# Altium PCB LimeSDR-PCIe_1v2.PcbDoc (part 6 of 9) (continued)
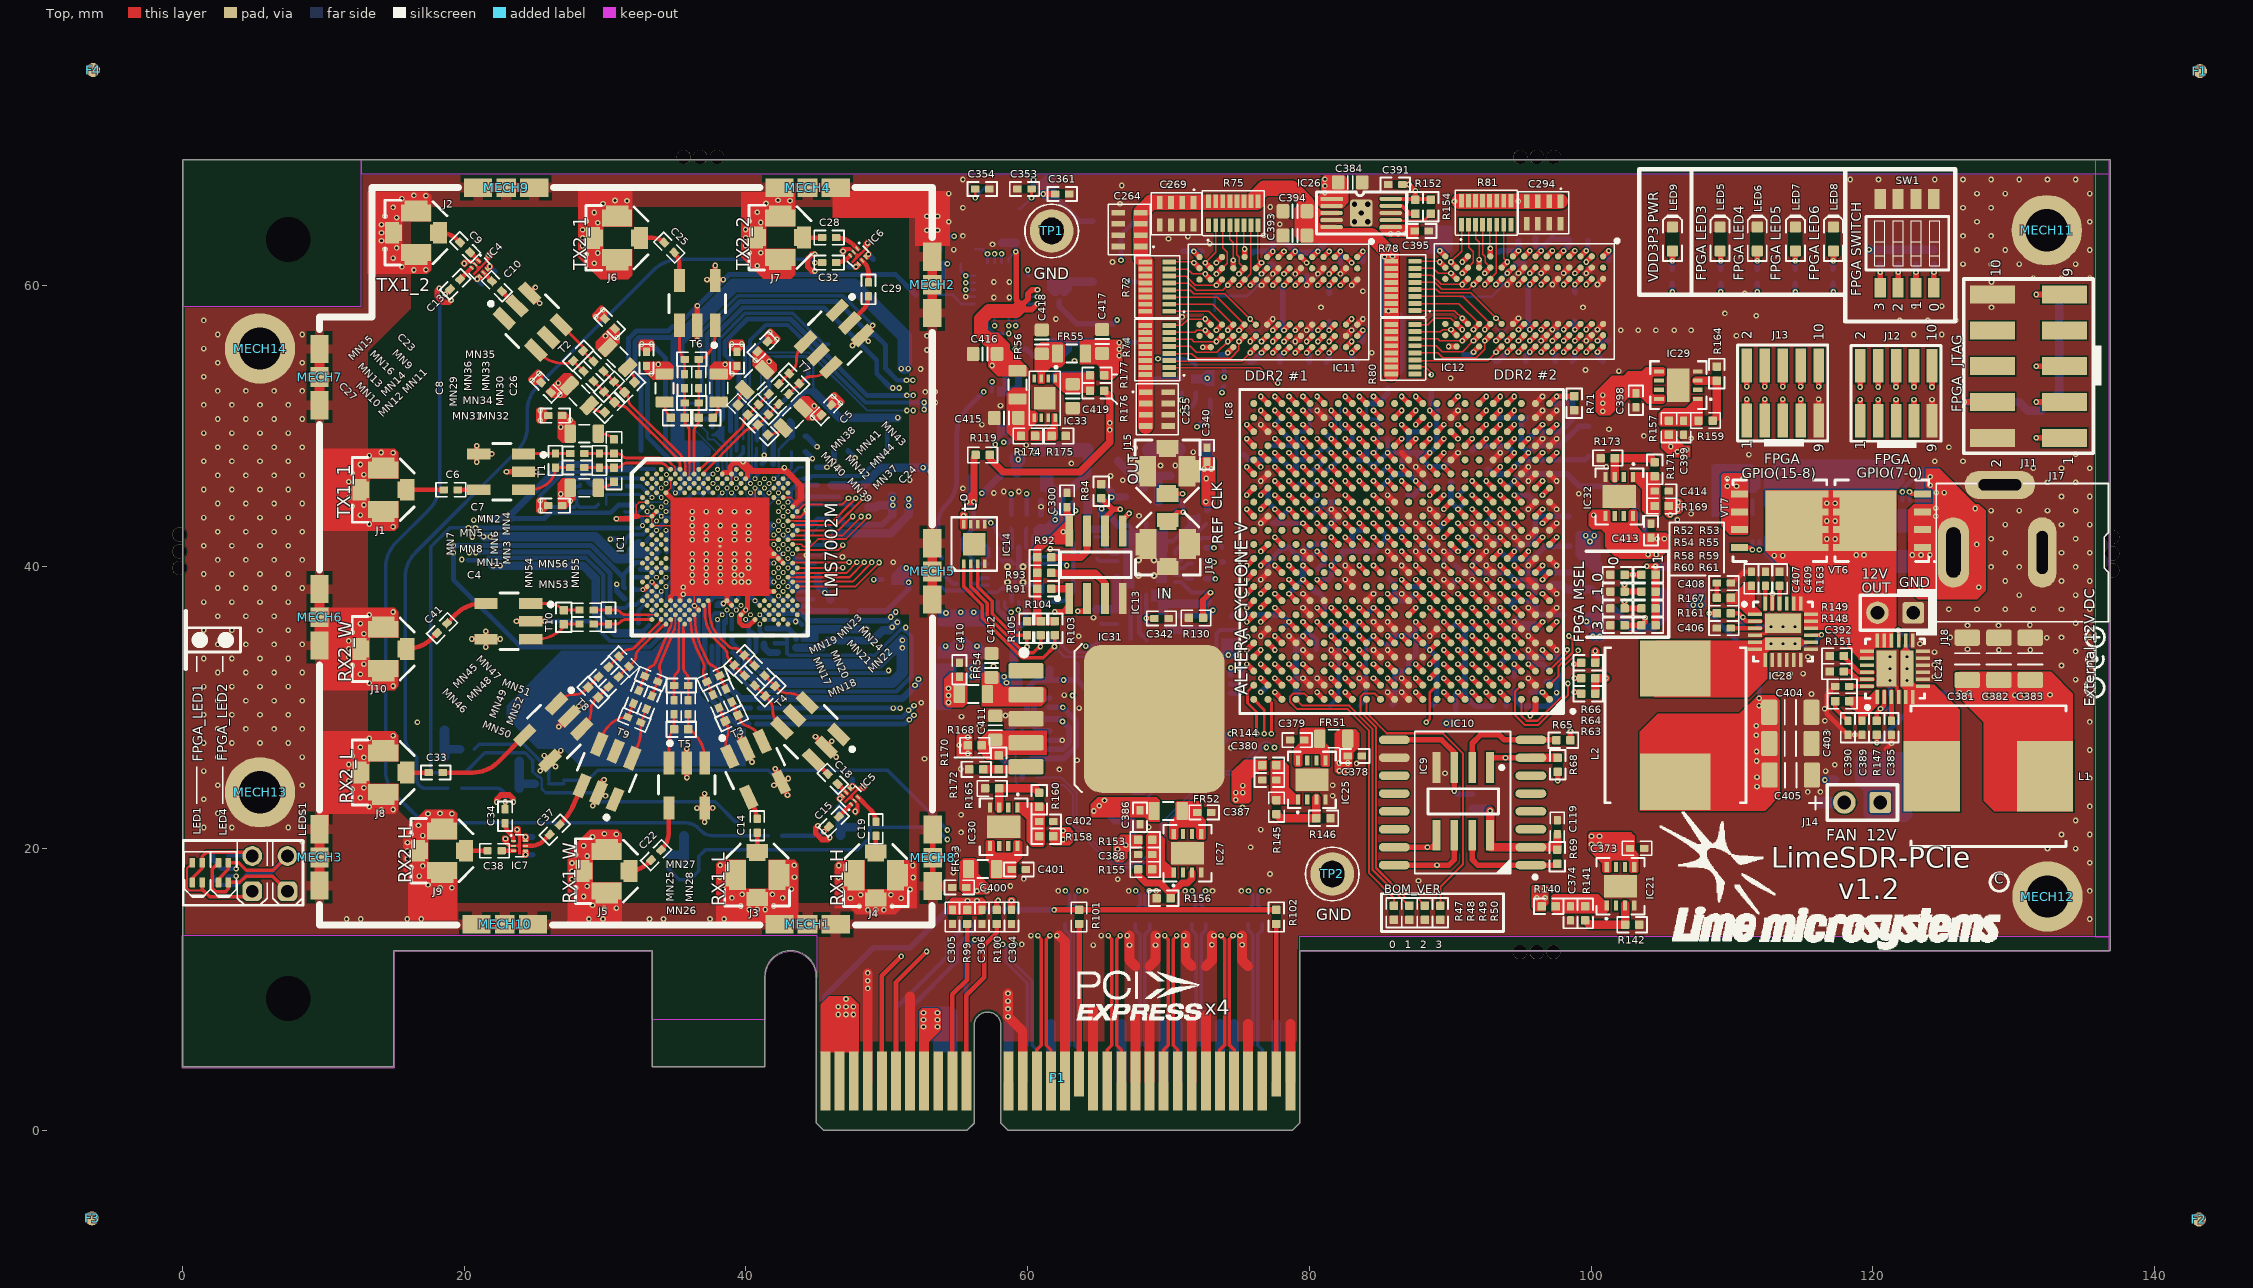
[diagram p0: Top view]
## Nets (pads, with @x,y where several pads share a name; then routed paths per layer and width w, separated by ;. In a path a pad name is that pad's centre, name@x,y a point inside that pad or via, vN(x,y) a via of type N, cw(c..) or ccw(c..) an arc to the next point about the centre after c; other vN are vias at no path point) (continued)
NetIC26_7: IC26.7 R154.2 | length 3.1
  Top w0.2: IC26.7@85.775,64.625 85.775,64.575 88.125,64.575 R154.2@88.625,65.075
NetIC26_9: IC26.9 R152.2 | length 2
  Top w0.3: IC26.9@85.775,65.625 86.575,65.625 87.125,65.075 R152.2@87.525,65.075
NetIC27_3: IC27.3 R155.2 R156.2 | length 6
  Top w0.5: R155.2@67.837,18.525 67.837,18.137 68.4,17.575 69.4,17.575 70.15,16.825 R156.2@70.15,16.753 ; R156.2@70.15,16.475 R156.2@70.15,16.753 ; IC27.3@71.675,18.3 71.675,17.875 71.35,17.55 70.947,17.55 R156.2@70.15,16.753
NetIC28_2: IC28.2 R161.2 R166.1 | length 3
  Top w0.325: R161.2@109.925,36.7 110.475,36.7 111.025,36.15 IC28.2@111.625,36.15 IC28.2@112.025,36.15
  Bottom w0.325: R166.1@110.75,35.75 110.775,35.775 v1(110.775,36.425)
NetIC28_22: IC28.22 R163.1 | length 1.6
  Top w0.325: IC28.22@113.375,37 R163.1@113.375,38.6
NetIC28_23: IC28.23 R162.2 | length 1.7
  Top w0.325: IC28.23@112.875,37 IC28.23@112.875,37.4 v1(112.875,38.1)
  Bottom w0.325: R162.2@112.875,37.5 v1(112.875,38.1)
NetIC29_3: IC29.3 R159.1 R164.1 | length 4.4
  Top w0.6: IC29.3@107.475,53.225 R164.1@108.925,53.225 108.925,50.688 R159.1@108.625,50.388
NetIC30_3: IC30.3 R160.1 R165.2 | length 4.4
  Top w0.6: IC30.3@57.975,22.825 R165.2@57.975,24.275 60.512,24.275 R160.1@60.812,23.975
NetIC31_5: IC31.5 R170.2 R172.1 | length 2.9
  Top w0.6: R172.1@56.85,25.625 R170.2@57.95,25.625 IC31.5@59.706,25.625
NetIC32_3: IC32.3 R171.1 R173.1 | length 4.4
  Top w0.6: IC32.3@101.675,46.275 R173.1@101.675,47.725 104.212,47.725 R171.1@104.512,47.425
NetIC33_8: IC33.8 R174.2 R175.2
NetJ14_1: J14.1 VT5.D
NetJ15_1: J15.1 R121.1 | length 36.8
  Top w0.325: J15.1@69.925,45.2 v1@70.975,45.2
  L10 w0.1: v1(54.775,63.475) ccw(c54.775,63.596) 54.86,63.51 55.1,63.75 cw(c55.643,63.207) 55.643,63.975 57.81,63.975 cw(c57.81,61.435) 60.35,61.435 60.35,58.703 ccw(c61.866,58.703) 60.794,57.631 61.406,57.019 ccw(c63.202,58.815) 63.202,56.275 69.423,56.275 cw(c69.423,53.735) 71.219,55.531 73,53.75 cw(c72.578,53.328) 73.175,53.328 73.175,52.875 cw(c71.425,52.875) 72.662,51.637 71.719,50.694 ccw(c73.515,48.898) 70.975,48.898 v1@70.975,45.2
  Bottom w0.325: R121.1@53.799,62.423 53.799,62.899 54.375,63.475 v1(54.775,63.475)
  other v1: 71,45.2
NetLED1_1: LED1.1 LED1.4 LEDS1.A1 R89.2 | length 7.7
  Top w0.25: LED1.4@0.7,17.6 0.7,17.9 1.4,18.6 LED1.1@1.4,19 1.4,19.45 1.7,19.75 4.675,19.75 LEDS1.A1@4.925,19.5
  Bottom w0.25: R89.2@3.2,19.5 4.925,19.5 LEDS1.A1@4.95,19.475
NetLED4_1: LED4.1 LED4.4 LEDS1.A2 R90.2 | length 12.9
  Top w0.25: LED4.4@2.55,17.6 2.55,17.825 3.25,18.525 LED4.1@3.25,19 4,19 4.525,18.475 6.45,18.475 LEDS1.A2@7.45,19.475
  Bottom w0.3: R90.2@2.2,18 2.2,17.85 2.625,17.425 3.851,17.425 4.676,18.25 6.225,18.25 LEDS1.A2@7.45,19.475
NetLED5_A: LED5.A R94.2 | length 1.3
  Top w0.4: v1(109.2,61.725) 109.205,61.73 LED5.A@109.205,62.425
  Bottom w0.4: R94.2@109.2,61.125 v1(109.2,61.725)
NetLED6_A: LED6.A R95.2 | length 1.3
  Top w0.4: v1(111.795,61.725) 111.8,61.73 LED6.A@111.8,62.425
  Bottom w0.4: R95.2@111.795,61.125 v1(111.795,61.725)
NetLED7_A: LED7.A R96.2 | length 1.3
  Top w0.4: v1(114.5,61.725) 114.505,61.73 LED7.A@114.505,62.425
  Bottom w0.4: R96.2@114.5,61.125 v1(114.5,61.725)
NetLED8_A: LED8.A R97.2 | length 1.3
  Top w0.4: v1(117.2,61.725) 117.205,61.73 LED8.A@117.205,62.425
  Bottom w0.4: R97.2@117.2,61.125 v1(117.2,61.725)
NetLED9_A: LED9.A R143.1 | length 1.3
  Top w0.4: v1(105.77,61.725) 105.775,61.73 LED9.A@105.775,62.425
  Bottom w0.4: R143.1@105.77,61.125 v1(105.77,61.725)
NetMN1_1: MN1.1 MN3.2 | length 1.2
  Top w0.2: MN1.1@29.52,45.628 29.605,45.628 ccw(c29.605,47.077) MN3.2@30.63,46.052
NetMN2_1: MN2.1 MN4.2 | length 1.2
  Top w0.2: MN2.1@29.519,49.473 29.614,49.473 cw(c29.614,48.037) MN4.2@30.63,49.052
NetMN9_1: MN9.1 MN11.2 | length 1.2
  Top w0.2: MN9.1@31.595,54.192 31.662,54.125 cw(c30.647,53.109) MN11.2@32.083,53.109
NetMN10_1: MN10.1 MN12.2 | length 1.2
  Top w0.2: MN10.1@28.876,51.473 28.936,51.413 ccw(c29.961,52.438) MN12.2@29.961,50.988
NetMN29_1: MN29.1 MN31.2 | length 1.2
  Top w0.2: MN29.1@34.22,51.701 34.22,51.616 ccw(c35.669,51.616) MN31.2@34.645,50.591
NetMN30_1: MN30.1 MN32.2 | length 1.2
  Top w0.2: MN32.2@37.644,50.591 ccw(c36.629,51.606) 38.065,51.606 MN30.1@38.065,51.701
NetMN37_1: MN37.1 MN39.2 | length 1.2
  Top w0.2: MN39.2@41.554,49.376 ccw(c41.554,50.812) 42.569,49.797 MN37.1@42.636,49.864
NetMN38_1: MN38.1 MN40.2 | length 1.2
  Top w0.2: MN40.2@39.433,51.498 cw(c40.882,51.498) 39.857,52.523 MN38.1@39.917,52.582
NetP1_A6: P1.A6 R98.2 | length 13
  Bottom w0.325: P1.A6@50.65,3.5 50.65,8.7 54.288,12.338 54.288,13.213 55.2,14.125 R98.2@55.2,14.65
NetP1_A7: P1.A7 R98.1 | length 13
  Bottom w0.325: P1.A7@51.65,3.5 51.65,8.675 54.95,11.975 54.95,13.025 56.2,14.275 R98.1@56.2,14.65
NetP1_B10: P1.B10 R99.2 | length 11.6
  Top w0.325: P1.B10@54.65,3.5 54.65,9.65 55.7,10.7 R99.2@55.7,14.65
NetP1_B11: P1.B11 R100.2 | length 12
  Top w0.325: P1.B11@55.65,3.5 55.65,9.6 56.925,10.875 56.925,13.15 57.8,14.025 R100.2@57.8,14.65
NetR15_1: R15.1 VT2.3 VT2.4 | length 3
  Bottom w0.6: R15.1@34.499,19.556 35.601,19.556
  Bottom w0.7: VT2.4@35.601,19.007 VT2.3@35.601,20.907
NetR16_2: R16.2 VT1.3 VT1.4 | length 3
  Bottom w0.6: 46.7,21.523 R16.2@47.803,21.523
  Bottom w0.7: VT1.3@46.7,20.975 VT1.4@46.7,22.875
NetR18_2: R18.2 VT3.3 VT3.4 | length 3
  Bottom w0.6: VT3.3@23.9,24.598 R18.2@25.003,24.598
  Bottom w0.7: VT3.3@23.9,24.3 VT3.4@23.9,26.2
NetR19_1: R19.1 VT4.3 VT4.4 | length 3
  Bottom w0.6: 18.6,27.048 R19.1@19.702,27.048
  Bottom w0.7: VT4.3@18.6,26.5 VT4.4@18.6,28.4
NetR107_2: R107.2 R116.2 XO1.4 XO2.3 | length 2.4
  Bottom w0.325: XO2.3@68.625,53.5 68.625,53.35 R116.2@70.925,53.35
NetR110_1: R110.1 XO1.6 | length 2.7
  Bottom w0.6: XO1.6@66.425,47.55 66.425,47.475 R110.1@68.275,45.625
PCIE_HSI0_IC_N: C118.1 IC8.V1 | length 59.1
  Top w0.4: IC8.V1@97.05,47.6 v1(97.55,48.1)
  L3 w0.1: v1(63.625,17) 63.25,17.375 63.25,17.867 71.858,26.475 74.55,26.475 75.525,27.45 86.658,27.45 86.758,27.55 87.608,28.4 88.633,28.4 88.733,28.5 91.175,30.942 91.175,43.266 91.484,43.575 92.775,43.575 93.125,43.925 93.125,46.17 93.405,46.45 96.533,46.45 97.15,47.067 97.15,47.7 v1(97.55,48.1)
  Bottom w0.25: v1(63.625,17) 63.325,16.7 63.325,15.975 C118.1@63.65,15.65
PCIE_HSI0_IC_P: C117.1 IC8.V2 | length 59.1
  Top w0.4: IC8.V2@96.05,47.6 v1(96.55,48.1)
  L3 w0.1: v1(62.675,17) 63.05,17.375 63.05,17.95 71.775,26.675 74.467,26.675 75.442,27.65 86.575,27.65 87.525,28.6 88.55,28.6 90.975,31.025 90.975,43.349 91.401,43.775 92.692,43.775 92.925,44.008 92.925,46.253 93.322,46.65 96.45,46.65 96.95,47.15 96.95,47.7 v1(96.55,48.1)
  Bottom w0.25: C117.1@62.65,15.65 62.975,15.975 62.975,16.7 v1(62.675,17)
PCIE_HSI0_N: C118.2 P1.A17 | length 11.4
  Bottom w0.25: P1.A17@63.65,3.5 63.65,5.725 63.325,6.05 63.325,13.9 63.65,14.225 C118.2@63.65,14.65
PCIE_HSI0_P: C117.2 P1.A16 | length 11.4
  Bottom w0.25: P1.A16@62.65,3.5 62.65,5.725 62.975,6.05 62.975,13.9 62.65,14.225 C117.2@62.65,14.65
PCIE_HSI1_IC_N: C116.1 IC8.P1 | length 49.3
  Top w0.4: v1(96.55,43.1) IC8.P1@97.05,43.6
  L3 w0.1: v1(68.625,17) 68.25,17.375 68.25,17.967 75.133,24.85 86.05,24.85 86.617,25.417 88.6,27.4 89.913,27.4 93.25,30.737 93.25,41.295 93.48,41.525 94.808,41.525 95.125,41.842 95.125,43 95.625,43.5 96.15,43.5 v1(96.55,43.1)
  Bottom w0.25: v1(68.625,17) 68.325,16.7 68.325,15.975 C116.1@68.65,15.65
PCIE_HSI1_IC_P: C115.1 IC8.P2 | length 49.7
  Top w0.4: IC8.P2@96.05,43.6 v1(96.55,44.1)
  L3 w0.1: v1(67.675,17) 68.05,17.375 68.05,18.05 75.05,25.05 85.967,25.05 88.517,27.6 89.83,27.6 93.05,30.82 93.05,41.378 93.397,41.725 94.725,41.725 94.925,41.925 94.925,43.083 95.542,43.7 96.15,43.7 v1(96.55,44.1)
  Bottom w0.25: C115.1@67.65,15.65 67.975,15.975 67.975,16.7 v1(67.675,17)
PCIE_HSI1_N: C116.2 P1.A22 | length 11.4
  Bottom w0.25: P1.A22@68.65,3.5 68.65,5.725 68.325,6.05 68.325,13.9 68.65,14.225 C116.2@68.65,14.65
PCIE_HSI1_P: C115.2 P1.A21 | length 11.4
  Bottom w0.25: P1.A21@67.65,3.5 67.65,5.725 67.975,6.05 67.975,13.9 67.65,14.225 C115.2@67.65,14.65
PCIE_HSI2_IC_N: C114.1 IC8.K1 | length 41.5
  Top w0.4: v1(96.55,39.1) IC8.K1@97.05,39.6
  L3 w0.1: v1(72.625,17) 72.25,17.375 72.25,17.692 77.033,22.475 86.058,22.475 89.883,26.3 90.464,26.3 95.15,30.986 95.15,39.195 95.455,39.5 96.15,39.5 v1(96.55,39.1)
  Bottom w0.25: v1(72.625,17) 72.325,16.7 72.325,15.975 C114.1@72.65,15.65
PCIE_HSI2_IC_P: C112.1 IC8.K2 | length 41.8
  Top w0.4: IC8.K2@96.05,39.6 v1(96.55,40.1)
  L3 w0.1: v1(71.675,17) 72.05,17.375 72.05,17.775 76.95,22.675 85.975,22.675 89.8,26.5 90.381,26.5 94.95,31.069 94.95,39.278 95.372,39.7 96.15,39.7 v1(96.55,40.1)
  Bottom w0.25: C112.1@71.65,15.65 71.975,15.975 71.975,16.7 v1(71.675,17)
PCIE_HSI2_N: C114.2 P1.A26 | length 11.4
  Bottom w0.25: P1.A26@72.65,3.5 72.65,5.725 72.325,6.05 72.325,13.9 72.65,14.225 C114.2@72.65,14.65
PCIE_HSI2_P: C112.2 P1.A25 | length 11.4
  Bottom w0.25: P1.A25@71.65,3.5 71.65,5.725 71.975,6.05 71.975,13.9 71.65,14.225 C112.2@71.65,14.65
PCIE_HSI3_IC_N: C111.1 IC8.F1 | length 35.5
  Top w0.4: IC8.F1@97.05,35.6 v1(97.55,36.1)
  L3 w0.1: v1(76.625,17) 76.25,17.375 76.25,18.055 79.22,21.025 88.003,21.025 97.15,30.172 97.15,35.7 v1(97.55,36.1)
  Bottom w0.25: v1(76.625,17) 76.325,16.7 76.325,15.975 C111.1@76.65,15.65
PCIE_HSI3_IC_P: C110.1 IC8.F2 | length 35.5
  Top w0.4: IC8.F2@96.05,35.6 v1(96.55,36.1)
  L3 w0.1: v1(75.675,17) 76.05,17.375 76.05,18.138 79.137,21.225 87.92,21.225 96.95,30.255 96.95,35.7 v1(96.55,36.1)
  Bottom w0.25: C110.1@75.65,15.65 75.975,15.975 75.975,16.7 v1(75.675,17)
PCIE_HSI3_N: C111.2 P1.A30 | length 11.4
  Bottom w0.25: P1.A30@76.65,3.5 76.65,5.725 76.325,6.05 76.325,13.9 76.65,14.225 C111.2@76.65,14.65
PCIE_HSI3_P: C110.2 P1.A29 | length 11.4
  Bottom w0.25: P1.A29@75.65,3.5 75.65,5.725 75.975,6.05 75.975,13.9 75.65,14.225 C110.2@75.65,14.65
PCIE_HSO0_N: IC8.Y1 P1.B15 | length 73.4
  Top w0.25: v1(61.575,13.825) 61.325,13.575 61.325,6.05 61.65,5.725 P1.B15@61.65,3.5
  Top w0.4: IC8.Y1@97.05,49.6 v1(97.55,50.1)
  L3 w0.1: v1(61.575,13.825) 61.25,14.15 61.25,16.775 72.9,28.425 86.708,28.425 89.075,30.792 89.075,31.175 89.375,31.475 89.703,31.475 90.1,31.872 90.1,45.4 92.2,47.5 95.808,47.5 96.15,47.842 96.15,48.383 96.317,48.55 96.778,48.55 97.15,48.922 97.15,49.7 v1(97.55,50.1)
PCIE_HSO0_P: IC8.Y2 P1.B14 | length 73.4
  Top w0.25: P1.B14@60.65,3.5 60.65,5.725 60.975,6.05 60.975,13.575 v1(60.725,13.825)
  Top w0.4: IC8.Y2@96.05,49.6 v1(96.55,50.1)
  L3 w0.1: v1(60.725,13.825) 61.05,14.15 61.05,16.858 72.817,28.625 86.625,28.625 88.875,30.875 88.875,31.258 89.292,31.675 89.62,31.675 89.9,31.955 89.9,45.483 92.117,47.7 95.725,47.7 95.95,47.925 95.95,48.466 96.234,48.75 96.4,48.75 96.695,48.75 96.95,49.005 96.95,49.7 v1(96.55,50.1)
PCIE_HSO1_N: IC8.T1 P1.B20 | length 64.7
  Top w0.25: v1(66.575,13.825) 66.325,13.575 66.325,6.05 66.65,5.725 P1.B20@66.65,3.5
  Top w0.4: v1(96.55,45.1) IC8.T1@97.05,45.6
  L3 w0.1: v1(66.575,13.825) 66.25,14.15 66.25,16.725 67.2,17.675 67.2,18.05 75.65,26.5 86.658,26.5 86.933,26.775 88.083,27.925 89.583,27.925 92,30.342 92,42.045 92.4,42.445 92.4,42.45 93.825,42.45 94.15,42.775 94.15,44.275 94.325,44.45 94.75,44.45 95.8,45.5 96.275,45.5 96.55,45.225 v1(96.55,45.1)
PCIE_HSO1_P: IC8.T2 P1.B19 | length 65.1
  Top w0.25: P1.B19@65.65,3.5 65.65,5.725 65.975,6.05 65.975,13.575 v1(65.725,13.825)
  Top w0.4: IC8.T2@96.05,45.6 v1(96.55,46.1)
  L3 w0.1: v1(65.725,13.825) 66.05,14.15 66.05,16.808 67,17.758 67,18.133 75.567,26.7 86.575,26.7 88,28.125 89.5,28.125 91.8,30.425 91.8,42.128 91.9,42.228 91.9,42.233 92.317,42.65 93.742,42.65 93.95,42.858 93.95,44.358 94.242,44.65 94.667,44.65 95.717,45.7 96.275,45.7 96.55,45.975 v1(96.55,46.1)
PCIE_HSO2_N: IC8.M1 P1.B24 | length 58
  Top w0.25: v1(70.575,13.825) 70.325,13.575 70.325,6.05 70.65,5.725 P1.B24@70.65,3.5
  Top w0.4: IC8.M1@97.05,41.6 v1(97.55,42.1)
  L3 w0.1: v1(70.575,13.825) 70.25,14.15 70.25,16.9 76.5,23.15 85.658,23.15 89.408,26.9 90.267,26.9 94.275,30.908 94.275,40.242 94.458,40.425 96.358,40.425 97.15,41.217 97.15,41.7 v1(97.55,42.1)
PCIE_HSO2_P: IC8.M2 P1.B23 | length 58
  Top w0.25: P1.B23@69.65,3.5 69.65,5.725 69.975,6.05 69.975,13.575 v1(69.725,13.825)
  Top w0.4: IC8.M2@96.05,41.6 v1(96.55,42.1)
  L3 w0.1: v1(69.725,13.825) 70.05,14.15 70.05,16.983 76.417,23.35 85.575,23.35 89.325,27.1 90.184,27.1 94.075,30.991 94.075,40.325 94.375,40.625 96.275,40.625 96.95,41.3 96.95,41.7 v1(96.55,42.1)
PCIE_HSO3_N: IC8.H1 P1.B28 | length 50.1
  Top w0.25: v1(74.575,13.825) 74.325,13.575 74.325,6.05 74.65,5.725 P1.B28@74.65,3.5
  Top w0.4: v1(96.55,38.1) IC8.H1@97.05,37.6
  L3 w0.1: v1(74.575,13.825) 74.25,14.15 74.25,17.347 78.678,21.775 87.458,21.775 96.15,30.467 96.15,37.7 v1(96.55,38.1)
PCIE_HSO3_P: IC8.H2 P1.B27 | length 50.1
  Top w0.25: P1.B27@73.65,3.5 73.65,5.725 73.975,6.05 73.975,13.575 v1(73.725,13.825)
  Top w0.4: v1(95.55,38.1) IC8.H2@96.05,37.6
  L3 w0.1: v1(73.725,13.825) 74.05,14.15 74.05,17.43 78.595,21.975 87.375,21.975 95.95,30.55 95.95,37.7 v1(95.55,38.1)
PCIE_PERSTN: IC8.H12 P1.A11 | length 54.5
  Top w0.4: v1(85.55,38.1) IC8.H12@86.05,37.6
  L3 w0.1: v1(56.25,13.525) 57.1,14.375 57.1,16.375 57.725,17 57.725,18.45 69.6,30.325 81.27,30.325 84.95,34.005 84.95,37.5 v1(85.55,38.1)
  Bottom w0.325: P1.A11@55.65,3.5 55.65,12.925 v1(56.25,13.525)
PCIE_PRSNT1N: P1.A1 R101.1 R102.1 | length 39.8
  Top w0.4: v1(61.875,15.65) R101.1@63.65,15.65 R102.1@77.65,15.65
  Bottom w0.4: P1.A1@45.6,4.25 45.6,9.525 49.025,12.95 51.625,12.95 54.325,15.65 v1@61.825,15.65
PCIE_PRSNT2N_X1: P1.B17 R101.2 | length 10.7
  Top w0.4: P1.B17@63.65,4 R101.2@63.65,14.65
PCIE_PRSNT2N_X4: P1.B31 R102.2 | length 10.7
  Top w0.325: P1.B31@77.65,4 R102.2@77.65,14.65
PCIE_REFCLK_N: IC8.N11 P1.A14 | length 62.5
  Top w0.4: v1(86.55,43.1) IC8.N11@87.05,42.6
  L3 w0.1: v1(59.075,13.2) 58.75,13.525 58.75,14.142 60.325,15.717 60.325,16.742 72.658,29.075 86.375,29.075 88.125,30.825 88.125,42.303 87.728,42.7 86.95,42.7 v1(86.55,43.1)
  Bottom w0.25: v1(59.075,13.2) 58.825,12.95 58.825,12.075 60.325,10.575 60.325,6.153 ; 60.325,6.05 60.65,5.725 P1.A14@60.65,3.5
PCIE_REFCLK_P: IC8.M11 P1.A13 | length 62.3
  Top w0.4: v1(86.55,42.1) IC8.M11@87.05,41.6
  L3 w0.1: v1(58.225,13.2) 58.55,13.525 58.55,14.225 60.125,15.8 60.125,16.825 72.575,29.275 86.292,29.275 87.925,30.908 87.925,42.22 87.645,42.5 86.95,42.5 v1(86.55,42.1)
  Bottom w0.25: v1(58.225,13.2) 58.475,12.95 58.475,11.93 59.975,10.43 59.975,6.05 59.65,5.725 P1.A13@59.65,3.5
PCIE_SMCLK: IC8.A10 P1.B5 | length 55.1
  Top w0.325: P1.B5@49.65,3.5 49.65,10.975 v1(51.025,12.35)
  Top w0.4: v1(87.55,31.1) IC8.A10@88.05,30.6
  L3 w0.1: v1@50.975,12.35 55.883,12.35 59.6,16.067 59.6,17.075 72.25,29.725 86.175,29.725 v1(87.55,31.1)
PCIE_SMDAT: IC8.B10 P1.B6 | length 55.1
  Top w0.325: P1.B6@50.65,3.5 50.65,10.525 v1(52.825,12.7)
  Top w0.4: v1(87.55,32.1) IC8.B10@88.05,31.6
  L3 w0.1: v1(52.825,12.7) 55.95,12.7 59.2,15.95 59.2,18.625 70.5,29.925 73.175,29.925 84.875,29.925 87.05,32.1 v1(87.55,32.1)
PCIE_WAKEN: IC8.G12 R100.1 | length 40.7
  Top w0.4: R100.1@57.8,15.65 57.8,16.225 v1(57.9,16.325) ; v1(85.55,37.1) IC8.G12@86.05,36.6
  L3 w0.1: v1(57.9,16.325) 58.225,16.65 58.225,18.275 70.075,30.125 73.092,30.125 82.07,30.125 85.15,33.205 85.15,36.7 v1(85.55,37.1)
REF_ADF: C335.2 IC16.13 | length 6.5
  Bottom w0.325: IC16.13@60.375,37.537 62.212,37.537 ccw(c62.212,38.575) 63.25,38.575 C335.2@63.25,41.625
REF_CLK_IN: C345.1 J16.1 R117.2 | length 11.8
  Top w0.325: J16.1@70.2,43.225 J16.1@69.95,43.225 70.6,43.875 v1(71.05,43.875)
  L10 w0.1: v1(71.05,43.875) ccw(c69.722,45.203) 71.6,45.203 71.6,46.486 cw(c72.539,46.486) 71.875,47.15 ccw(c71.332,47.693) 72.1,47.693 72.1,49.875 v1(72.025,49.95)
  Bottom w0.325: C345.1@70.4,45.15 70.4,45.125 C345.1@70.626,44.899 ; C345.1@70.626,44.899 cw(c69.601,43.875) v1(71.05,43.875) ; v1(72.025,49.95) 72.95,50.875 R117.2@72.95,51.875
REF_CLK_OUT: IC16.17 R121.2 R125.1 | length 32
  L10 w0.1: v1(54.3,61.525) cw(c53.033,60.258) 54.825,60.258 54.825,48.254 ccw(c57.175,48.254) 57.175,45.904 59.678,45.904 cw(c59.678,44.981) 60.6,44.981 60.6,42.859 cw(c58.104,42.859) 59.869,41.094 ccw(c61.665,39.298) 59.125,39.298 59.125,37.499 cw(c58.101,37.499) v1(58.825,36.775)
  Bottom w0.25: IC16.17@58.375,37.537 58.375,37.151 58.751,36.775 v1(58.825,36.775)
  Bottom w0.325: R125.1@54.025,60.325 54.025,61.25 v1(54.3,61.525)
RXPLL_CLK: C316.2 IC1.AM24 R111.1 | length 24.6
  L10 w0.1: v2(40.313,36.604) 40.784,37.074 cw(c41.691,36.167) 41.691,37.45 47.073,37.45 ccw(c47.073,39.99) 48.869,38.194 50.625,39.95 cw(c52.255,38.32) 52.255,40.625 54.873,40.625 ccw(c54.873,43.165) 56.669,41.369 59.518,44.218 ccw(c58.537,45.2) v1(59.925,45.2)
  Bottom w0.325: R111.1@59.925,43.712 59.925,44.762 v1(59.925,45.2)
RXRF1_HAB_N: IC1.AJ15 MN23.1 MN24.2 | length 6.1
  Top w0.2: IC1.AJ15@37.316,37.603 cw(c37.075,37.361) 37.416,37.361 37.416,36.87 37.416,36.786 ccw(c39.981,36.786) 38.167,34.973 38.767,34.373 ccw(c39.126,34.732) 39.126,34.224 39.172,34.224 cw(c39.172,33.716) 39.531,34.075 MN23.1@39.88,33.727 MN24.2@40.622,32.985
RXRF1_HAB_P: IC1.AK14 MN21.2 MN23.2 | length 6
  Top w0.2: IC1.AK14@36.983,37.27 cw(c36.742,37.028) 37.083,37.028 37.083,36.853 37.083,36.77 ccw(c39.964,36.77) 37.927,34.732 38.527,34.132 cw(c38.168,33.773) 38.676,33.773 38.676,33.727 ccw(c39.184,33.727) 38.824,33.368 MN23.2@39.172,33.02 MN21.2@39.915,32.278
RXRF1_HBB_N: MN22.1 MN24.1 T4.6 | length 3.7
  Top w0.2: MN24.1@41.329,32.278 MN22.1@42.072,31.535 42.097,31.51 42.319,31.288 ccw(c42.942,31.911) 42.942,31.03 43.035,31.03 cw(c43.035,29.506) 44.112,30.583 T4.6@44.32,30.376
RXRF1_HBB_P: MN21.1 MN22.2 T4.4 | length 3.7
  Top w0.2: MN21.1@40.622,31.571 40.905,31.288 MN22.2@41.364,30.828 ; MN22.2@41.389,30.803 41.637,30.556 cw(c41.014,29.933) 41.895,29.933 41.895,29.84 ccw(c43.419,29.84) 42.341,28.762 T4.4@42.549,28.555
RXRF1_LAB_N: IC1.AM12 MN19.1 MN20.2 | length 5.8
  Top w0.2: IC1.AM12@36.29,36.548 cw(c36.048,36.306) 36.39,36.306 ccw(c41.393,36.327) 36.795,34.354 37.288,33.297 ; 37.301,33.269 ccw(c37.762,33.483) 37.588,33.006 37.631,32.99 cw(c37.457,32.513) 37.918,32.728 38.126,32.281 MN20.2@38.57,31.33
RXRF1_LAB_P: IC1.AN11 MN17.2 MN19.2 | length 5.7
  Top w0.2: IC1.AN11@35.984,36.271 cw(c35.743,36.029) 36.084,36.029 ccw(c41.085,36.184) 36.487,34.21 36.993,33.125 cw(c36.533,32.91) 37.01,32.736 36.995,32.693 ccw(c37.472,32.52) 37.012,32.305 37.22,31.859 MN17.2@37.663,30.907
RXRF1_LBB_N: MN18.1 MN20.1 T3.3 | length 3.7
  Top w0.2: MN20.1@38.992,30.423 MN18.1@39.436,29.472 39.584,29.155 ccw(c40.383,29.527) 40.081,28.699 ; 40.081,28.699 40.168,28.667 cw(c39.647,27.235) 41.028,27.879 T3.3@41.152,27.613
RXRF1_LBB_P: MN17.1 MN18.2 T3.1 | length 3.7
  Top w0.2: MN17.1@38.086,30.001 38.255,29.638 MN18.2@38.53,29.049 38.678,28.732 cw(c37.879,28.36) 38.707,28.058 38.632,27.851 ccw(c39.773,27.435) 38.672,26.922 T3.1@38.85,26.54
RXRF1_WAB_N: IC1.AP10 MN27.2 MN28.2 | length 5.5
  Top w0.16: 35.569,35.508 ccw(c35.501,35.508) 35.549,35.556 35.549,35.691 cw(c35.897,35.691) IC1.AP10@35.651,35.938
  Top w0.2: 35.569,35.508 35.569,32.826 ccw(c36.077,32.826) 35.718,32.466 35.75,32.434 cw(c35.391,32.075) 35.899,32.075 MN27.2@35.899,31.583 MN28.2@35.899,30.533
RXRF1_WAB_P: IC1.AN9 MN25.2 MN27.1 | length 5.9
  Top w0.14: 35.249,35.806 35.249,36.104 cw(c35.485,36.104) IC1.AN9@35.318,36.271
  Top w0.16: 35.229,35.504 cw(c35.297,35.504) 35.249,35.552 35.249,35.806
  Top w0.2: MN25.2@34.899,30.533 MN27.1@34.899,31.583 34.899,32.075 cw(c35.407,32.075) 35.048,32.434 35.08,32.466 ccw(c34.721,32.826) 35.229,32.826 35.229,35.504
RXRF1_WBB_N: MN26.1 MN28.1 T5.3 | length 3.9
  Top w0.2: MN28.1@35.899,29.533 MN26.1@35.899,28.483 cw(c35.899,28.199) 36.099,28.4 36.325,28.174 cw(c34.529,26.378) 37.069,26.378 T5.3@37.069,26.073
RXRF1_WBB_P: MN25.1 MN26.2 T5.1 | length 3.6
  Top w0.2: T5.1@34.529,26.073 34.529,27.589 cw(c35.792,27.589) MN26.2@34.899,28.483 MN25.1@34.899,29.533
RXRF2_HAB_N: IC1.AM8 MN51.1 MN52.2 | length 6.1
  Top w0.11: 34.985,36.008 IC1.AM8@34.985,36.604
  Top w0.15: 34.886,35.56 ccw(c33.926,36.008) 34.985,36.008
  Top w0.2: MN52.2@33.315,30.843 MN51.1@33.736,31.859 33.905,32.268 ccw(c33.436,32.462) 33.905,32.657 33.888,32.699 cw(c34.357,32.894) 33.888,33.088 ; 33.873,33.051 34.817,35.33 ; 34.81,35.326 34.904,35.529
RXRF2_HAB_P: IC1.AN7 MN49.2 MN51.2 | length 5.6
  Top w0.14: IC1.AN7@34.652,36.271 cw(c34.488,36.106) 34.72,36.106
  Top w0.15: 34.644,35.709 ccw(c33.908,36.052) 34.72,36.052 34.72,36.106
  Top w0.2: MN49.2@32.391,31.226 MN51.2@32.812,32.242 32.981,32.651 cw(c33.451,32.456) 33.256,32.926 33.299,32.943 ccw(c33.104,33.413) 33.574,33.218 34.506,35.469 ; 34.505,35.479 34.599,35.681
RXRF2_HBB_N: MN50.1 MN52.1 T9.6 | length 3.7
  Top w0.2: T9.6@31.787,26.526 ccw(c29.99,28.322) 32.53,28.322 MN50.1@32.53,28.949 MN52.1@32.932,29.919
RXRF2_HBB_P: MN49.1 MN50.2 T9.4 | length 4.5
  Top w0.2: T9.4@29.577,26.989 cw(c32.117,26.989) 30.321,28.786 30.345,28.809 cw(c31.607,27.547) MN50.2@31.607,29.332 31.855,29.932 MN49.1@32.008,30.302
RXRF2_LAB_N: IC1.AP6 MN47.1 MN48.2 | length 5.1
  Top w0.2: MN48.2@30.954,32.199 31.697,32.941 32.045,33.289 ccw(c31.685,33.648) 32.193,33.648 32.193,33.694 cw(c32.701,33.694) 32.342,34.053 34.126,35.838 ccw(c34.126,36.061) 34.284,35.903 IC1.AP6@34.319,35.938
RXRF2_LAB_P: IC1.AN5 MN45.2 MN47.2 | length 5.1
  Top w0.2: MN45.2@30.247,32.906 30.989,33.648 31.338,33.996 cw(c31.697,33.637) 31.697,34.145 31.743,34.145 ccw(c31.743,34.653) 32.102,34.294 33.886,36.078 cw(c34.11,36.078) 33.951,36.236 IC1.AN5@33.986,36.271
RXRF2_LBB_N: MN46.1 MN48.1 T8.3 | length 3.7
  Top w0.2: T8.3@28.345,28.5 28.553,28.708 ccw(c27.475,29.786) 28.999,29.786 28.999,29.878 cw(c29.88,29.878) 29.257,30.502 29.479,30.724 MN46.1@29.505,30.749 MN48.1@30.247,31.492
RXRF2_LBB_P: MN45.1 MN46.2 T8.1 | length 3.7
  Top w0.2: T8.1@26.549,30.297 26.757,30.504 cw(c27.834,29.427) 27.834,30.951 27.927,30.951 ccw(c27.927,31.832) 28.55,31.209 MN46.2@28.797,31.456 29.257,31.916 MN45.1@29.54,32.199
RXRF2_WAB_N: IC1.AM4 MN55.2 MN56.2 | length 4.6
  Top w0.11: 33.099,36.604 IC1.AM4@33.653,36.604
  Top w0.2: MN56.2@29.181,36.937 MN55.2@30.231,36.937 30.723,36.937 cw(c30.723,36.429) 31.082,36.788 31.115,36.756 ccw(c31.474,37.115) 31.474,36.607 32.948,36.607 32.952,36.604 33.099,36.604
RXRF2_WAB_P: IC1.AN3 MN53.2 MN55.1 | length 4.2
  Top w0.2: MN53.2@29.181,35.937 MN55.1@30.231,35.937 30.723,35.937 ccw(c30.723,36.445) 31.082,36.086 31.115,36.118 cw(c31.474,35.759) 31.474,36.267 32.952,36.267 32.956,36.271 IC1.AN3@33.32,36.271
RXRF2_WBB_N: MN54.1 MN56.1 T10.1 | length 3.5
  Top w0.2: T10.1@24.721,37.407 25.924,37.407 cw(c25.924,35.785) MN54.1@27.071,36.932 ; MN54.1@27.131,36.937 27.781,36.937 MN56.1@28.181,36.937
RXRF2_WBB_P: MN53.1 MN54.2 T10.3 | length 3.8
  Top w0.2: T10.3@24.721,34.867 25.14,34.867 ccw(c25.14,37.407) 26.936,35.611 26.939,35.614 ccw(c26.621,35.932) MN54.2@27.071,35.932 ; MN54.2@27.131,35.937 MN53.1@28.181,35.937
SI5351_XTAL_N: C354.2 IC20.2 XT1.3 | length 13.8
  Top w0.2: v1(56.275,66.2) C354.2@56.275,66.825
  L5 w0.1: v1(56.275,66.2) 57.7,66.2 58.175,65.725 58.175,63 58.509,62.666 58.55,62.625 58.55,61.825 59.134,61.241 59.134,58.791 58.8,58.458 58.8,57.275 v1(58.65,57.125)
  Bottom w0.2: v1(56.275,66.2) 56.275,66.25 XT1.3@57.15,67.125 ; v1(58.65,57.125) IC20.2@58.65,57.75
SI5351_XTAL_P: C353.2 IC20.1 XT1.1 | length 13.8
  Top w0.2: v1(60.275,66.2) C353.2@60.275,66.825
  L5 w0.1: v1(59.15,57.125) 59,57.275 59,58.375 59.334,58.709 59.334,61.324 58.75,61.908 58.75,62.708 58.375,63.083 58.375,65.725 58.85,66.2 v1(60.275,66.2)
  Bottom w0.2: v1(59.15,57.125) IC20.1@59.15,57.75 ; XT1.1@59.35,65.425 59.5,65.425 v1(60.275,66.2)
SI_CLK0: IC8.M7 IC20.13 | length 52.4
  Top w0.4: v1(90.55,42.1) IC8.M7@91.05,41.6
  L10 w0.1: v1(58.15,62.225) cw(c57.546,62.225) 57.973,61.798 56.894,60.719 ccw(c58.69,58.923) 56.15,58.923 56.15,49.34 ccw(c58.69,49.34) 58.69,46.8 60.898,46.8 cw(c60.898,44.26) 62.694,46.056 65.306,43.444 ccw(c67.102,45.24) 67.102,42.7 89.125,42.7 cw(c89.125,40.708) 90.533,42.117 v1(90.55,42.1)
  Bottom w0.2: IC20.13@58.15,61.6 v1(58.15,62.225)
SI_CLK1: IC8.N7 IC20.12 | length 54.7
  Top w0.4: v1(90.55,43.1) IC8.N7@91.05,42.6
  L10 w0.1: v1(57.65,62.225) cw(c58.3,62.225) 58.3,62.875 58.9,62.875 cw(c58.9,62.075) 59.7,62.075 59.7,61.752 cw(c57.16,61.752) 58.956,59.956 56.994,57.994 ccw(c58.428,56.56) 56.4,56.56 56.4,49.59 ccw(c58.94,49.59) 58.94,47.05 61.372,47.05 cw(c61.372,45.172) 62.7,46.5 63.156,46.044 ccw(c64.952,47.84) 64.952,45.3 65.975,45.3 cw(c65.975,42.825) 67.725,44.575 68.15,44.15 ccw(c69.659,45.659) 69.659,43.525 89.524,43.525 cw(c89.524,42.074) v1(90.55,43.1)
  Bottom w0.2: IC20.12@57.65,61.6 v1(57.65,62.225)
SI_CLK2: IC8.N8 IC20.9 | length 49.2
  Top w0.4: v1(89.55,42.1) IC8.N8@90.05,42.6
  L10 w0.1: v1@55.6,60.17 cw(c55.6,59.82) 55.95,59.82 55.95,49.115 ccw(c58.49,49.115) 58.49,46.575 60.748,46.575 cw(c60.748,44.035) 62.544,45.831 65.131,43.244 ccw(c66.927,45.04) 66.927,42.5 88.584,42.5 cw(c88.584,41.134) v1(89.55,42.1)
  Bottom w0.2: v1(55.6,60.175) IC20.9@56.225,60.175
SI_CLK3: IC8.J10 IC20.8 | length 48.6
  Top w0.4: v1(87.55,39.1) IC8.J10@88.05,38.6
  L10 w0.1: v1(55.6,59.675) ccw(c55.6,59.434) 55.429,59.604 55.35,59.525 ccw(c55.652,59.223) 55.225,59.223 55.225,48.865 ccw(c57.765,48.865) 57.765,46.325 60.573,46.325 cw(c60.573,43.785) 62.369,45.581 64.906,43.044 ccw(c66.702,44.84) 66.702,42.3 75.405,42.3 cw(c75.405,41.105) 76.25,41.95 ccw(c77.035,42.735) 77.035,41.625 83.478,41.625 cw(c83.478,39.085) 85.274,40.881 86.705,39.45 ; 86.706,39.449 ccw(c87.55,40.295) v1(87.55,39.1)
  Bottom w0.2: v1(55.6,59.675) IC20.8@56.225,59.675
SI_CLK4: IC20.19 R118.2 | length 17.4
  L10 w0.1: v1(60.7,59.175) 61.648,59.175 cw(c61.648,56.635) 63.444,58.431 64.331,57.544 ccw(c66.127,59.34) 66.127,56.8 69.648,56.8 cw(c69.648,54.26) 71.444,56.056 72.966,54.534 cw(c71.616,53.184) 73.525,53.184 73.525,53.039 ccw(c74.464,53.039) v1(73.8,52.375)
  Bottom w0.2: IC20.19@60.075,59.175 v1(60.7,59.175)
  Bottom w0.325: v1(73.8,52.375) 73.8,52.513 cw(c74.312,52.513) R118.2@73.95,52.875
SI_CLK6: IC8.L22 IC20.16 | length 45.6
  Top w0.4: v1(75.55,40.1) IC8.L22@76.05,40.6
  L10 w0.1: v1(60,61.075) cw(c60,61.1) 59.975,61.1 59.975,61.925 ccw(c58.55,61.925) 58.55,63.35 57.565,63.35 ccw(c57.565,60.81) 55.025,60.81 55.025,48.389 ccw(c57.289,48.389) 57.289,46.125 59.673,46.125 cw(c59.673,43.585) 61.469,45.381 64.381,42.469 ccw(c66.177,44.265) 66.177,41.725 72.873,41.725 cw(c72.873,39.185) 74.669,40.981 v1(75.55,40.1)
  Bottom w0.25: v1(60,61.075) 60,60.75 IC20.16@60.075,60.675
TCXO_VC: R120.1 R128.2 XO1.1 XO2.1 | length 33
  L3 w0.3: v1(60.475,48.125) 64.925,43.675 65.382,43.675 68.375,40.682 68.375,38.964 72.314,35.025 v1(75.625,35.025)
  Bottom w0.3: R120.1@72.761,33.36 73.4,33.999 73.4,35.275 73.65,35.525 75.15,35.525 v1@75.625,35.05
  Bottom w0.6: R128.2@63.165,45.582 64.225,46.643 XO2.1@64.225,48.3
  Bottom w1: 60.675,48.325 62.125,48.325 62.15,48.3 XO2.1@64.225,48.3